# Allegro board S071AA-0413-20260427.brd (continued)
## Routing (per net, layer and track width the routed paths; a pad name or vN(x,y) marks a point on that pad's centre or on a via; arc(x,y) is an arc through that point) (continued)
259.35,328.47 ; D109.B8 260.16,327.66 ; D109.B8 259.35,326.85 ; D114.A6 190.77,353.87 ; D114.A6 189.96,353.06 ; D114.A6 190.77,352.25 ; D114.A6 191.58,353.06 ; D432.A3 51.88,406.4 ; D432.A3 50.26,406.4 ; D432.A3 51.07,405.59 ; D432.A3 51.07,407.21 ; D112.B7 262.7,391.16 ; D112.B7 261.08,391.16 ; D112.B7 261.89,391.97 ; D112.B7 261.89,390.35 ; D120.A6 29.02,35.56 ; D120.A6 27.4,35.56 ; D120.A6 28.21,36.37 ; D120.A6 28.21,34.75 ; D121.B12 117.92,101.6 ; D121.B12 117.11,102.41 ; D121.B12 116.3,101.6 ; D121.B12 117.11,100.79 ; 94.25,349.71 CSDPS226.C15 ; CSDPS226.C15 93.44,350.52 ; CSDPS226.C15 95.06,350.52 ; CSDPS226.C15 94.25,351.33 ; D431.A5 46.8,386.08 ; D431.A5 45.18,386.08 ; D431.A5 45.99,386.89 ; D431.A5 45.99,385.27 ; 93.44,73.66 D122.A3 ; D122.A3 95.06,73.66 ; D122.A3 94.25,72.85 ; D122.A3 94.25,74.47 ; 182.34,53.34 D103.A9 ; D103.A9 183.15,52.53 ; D103.A9 183.15,54.15 ; D103.A9 183.96,53.34 ; 46.68,354.48 UHC230.G3_2 ; UHC230.G3_2 47.49,355.29 ; UHC230.G3_2 45.87,355.29 ; UHC230.G3_2 46.68,356.1 ; CSDPS425.B10 107.76,342.9 ; CSDPS425.B10 106.14,342.9 ; CSDPS425.B10 106.95,342.09 ; CSDPS425.B10 106.95,343.71 ; D231.A17 15.51,376.73 ; D231.A17 15.51,375.11 ; D231.A17 14.7,375.92 ; D231.A17 16.32,375.92 ; D124.B16 127.27,41.45 ; D124.B16 128.08,40.64 ; D124.B16 126.46,40.64 ; D124.B16 127.27,39.83 ; 238.22,332.74 D109.A16 ; D109.A16 239.03,331.93 ; D109.A16 239.03,333.55 ; D109.A16 239.84,332.74 ; 243.3,332.74 D109.A14 ; D109.A14 244.11,331.93 ; D109.A14 244.92,332.74 ; D109.A14 244.11,333.55 ; 188.23,334.47 D113.A7 ; D113.A7 188.23,336.09 ; D113.A7 187.42,335.28 ; D113.A7 189.04,335.28 ; 188.23,375.11 D115.A7 ; D115.A7 188.23,376.73 ; D115.A7 189.04,375.92 ; D115.A7 187.42,375.92 ; D120.B16 54.42,40.64 ; D120.B16 53.61,41.45 ; D120.B16 52.8,40.64 ; D120.B16 53.61,39.83 ; 101.06,76.2 D122.A6 ; D122.A6 101.87,77.01 ; D122.A6 102.68,76.2 ; D122.A6 101.87,75.39 ; D110.B10 254.27,348.79 ; D110.B10 254.27,347.17 ; D110.B10 253.46,347.98 ; D110.B10 255.08,347.98 ; D111.A10 255.08,373.38 ; D111.A10 254.27,372.57 ; D111.A10 253.46,373.38 ; D111.A10 254.27,374.19 ; D109.A12 250,332.74 ; D109.A12 249.19,333.55 ; D109.A12 248.38,332.74 ; D109.A12 249.19,331.93 ; 32.48,342.9 CSDPS429.B10 ; CSDPS429.B10 33.29,343.71 ; CSDPS429.B10 33.29,342.09 ; CSDPS429.B10 34.1,342.9 ; D427.A10 107.76,383.54 ; D427.A10 106.95,384.35 ; D427.A10 106.14,383.54 ; D427.A10 106.95,382.73 ; 184.88,76.2 D102.A10 ; D102.A10 186.5,76.2 ; D102.A10 185.69,75.39 ; D102.A10 185.69,77.01 ; 116.3,332.74 CSDPS225.B6 ; CSDPS225.B6 117.11,331.93 ; CSDPS225.B6 117.92,332.74 ; CSDPS225.B6 117.11,333.55 ; UHC230.G4_6 19.99,351.79 ; UHC230.G4_6 18.37,351.79 ; UHC230.G4_6 19.18,350.98 ; UHC230.G4_6 19.18,352.6 ; 256.81,72.85 D106.A9 ; D106.A9 256.81,74.47 ; D106.A9 256,73.66 ; D106.A9 257.62,73.66 ; D107.A3 242.38,53.34 ; D107.A3 240.76,53.34 ; D107.A3 241.57,52.53 ; D107.A3 241.57,54.15 ; D231.B16 18.05,369.11 ; D231.B16 17.24,368.3 ; D231.B16 18.86,368.3 ; D231.B16 18.05,367.49 ; 27.4,388.62 D232.B12 ; D232.B12 28.21,389.43 ; D232.B12 29.02,388.62 ; D232.B12 28.21,387.81 ; 266.16,93.98 D105.A13 ; D105.A13 266.97,94.79 ; D105.A13 266.97,93.17 ; D105.A13 267.78,93.98 ; D427.A13 99.33,386.89 ; D427.A13 100.14,386.08 ; D427.A13 98.52,386.08 ; D427.A13 99.33,385.27 ; 195.85,372.57 D115.A4 ; D115.A4 195.04,373.38 ; D115.A4 195.85,374.19 ; D115.A4 196.66,373.38 ; 167.91,334.47 D113.A15 ; D113.A15 167.91,336.09 ; D113.A15 168.72,335.28 ; D113.A15 167.1,335.28 ; D106.B11 262.7,78.74 ; D106.B11 261.89,77.93 ; D106.B11 261.08,78.74 ; D106.B11 261.89,79.55 ; 124.73,18.24 DPS3.C15 ; DPS3.C15 123.92,19.05 ; DPS3.C15 124.73,19.86 ; DPS3.C15 125.54,19.05 ; D110.A11 252.54,355.6 ; D110.A11 251.73,354.79 ; D110.A11 251.73,356.41 ; D110.A11 250.92,355.6 ; 94.25,395.43 D228.A15 ; D228.A15 93.44,396.24 ; D228.A15 95.06,396.24 ; D228.A15 94.25,397.05 ; D112.B12 250,388.62 ; D112.B12 249.19,389.43 ; D112.B12 249.19,387.81 ; D112.B12 248.38,388.62 ; D228.B8 112.84,388.62 ; D228.B8 112.03,389.43 ; D228.B8 112.03,387.81 ; D228.B8 111.22,388.62 ; D123.B9 109.49,59.23 ; D123.B9 110.3,58.42 ; D123.B9 108.68,58.42 ; D123.B9 109.49,57.61 ; D121.A8 106.95,97.33 ; D121.A8 107.76,96.52 ; D121.A8 106.95,95.71 ; D121.A8 106.14,96.52 ; 45.99,414.48 DPS8.A05 ; DPS8.A05 46.8,415.29 ; DPS8.A05 45.99,416.1 ; DPS8.A05 45.18,415.29 ; D428.A11 104.41,407.21 ; D428.A11 103.6,406.4 ; D428.A11 105.22,406.4 ; D428.A11 104.41,405.59 ; D112.B5 266.97,391.97 ; D112.B5 267.78,391.16 ; D112.B5 266.97,390.35 ; D112.B5 266.16,391.16 ; 30.75,414.48 DPS8.A11 ; DPS8.A11 29.94,415.29 ; DPS8.A11 31.56,415.29 ; DPS8.A11 30.75,416.1 ; D104.B2 165.37,41.45 ; D104.B2 164.56,40.64 ; D104.B2 166.18,40.64 ; D104.B2 165.37,39.83 ; UHC230.G3_11 49.79,348.29 ; UHC230.G3_11 48.98,347.48 ; UHC230.G3_11 48.17,348.29 ; UHC230.G3_11 48.98,349.1 ; 98.52,53.34 D123.A5 ; D123.A5 99.33,54.15 ; D123.A5 100.14,53.34 ; D123.A5 99.33,52.53 ; D228.A7 114.57,397.05 ; D228.A7 114.57,395.43 ; D228.A7 113.76,396.24 ; D228.A7 115.38,396.24 ; D104.B7 178.07,38.91 ; D104.B7 178.07,37.29 ; D104.B7 178.88,38.1 ; D104.B7 177.26,38.1 ; D119.B6 29.02,60.96 ; D119.B6 27.4,60.96 ; D119.B6 28.21,60.15 ; D119.B6 28.21,61.77 ; 164.56,35.56 D104.A2 ; D104.A2 166.18,35.56 ; D104.A2 165.37,34.75 ; D104.A2 165.37,36.37 ; D120.B2 18.05,41.45 ; D120.B2 18.86,40.64 ; D120.B2 18.05,39.83 ; D120.B2 17.24,40.64 ; D107.A9 257.62,53.34 ; D107.A9 256.81,54.15 ; D107.A9 256,53.34 ; D107.A9 256.81,52.53 ; D101.A11 189.04,93.98 ; D101.A11 188.23,94.79 ; D101.A11 187.42,93.98 ; D101.A11 188.23,93.17 ; 29.94,340.36 CSDPS429.C11 ; CSDPS429.C11 30.75,339.55 ; CSDPS429.C11 30.75,341.17 ; CSDPS429.C11 31.56,340.36 ; 258.54,101.6 D105.B10 ; D105.B10 259.35,100.79 ; D105.B10 259.35,102.41 ; D105.B10 260.16,101.6 ; D227.B17 89.17,371.65 ; D227.B17 89.17,370.03 ; D227.B17 89.98,370.84 ; D227.B17 88.36,370.84 ; 22.32,378.46 D431.B14 ; D431.B14 23.13,379.27 ; D431.B14 23.13,377.65 ; D431.B14 23.94,378.46 ; 96.79,377.65 D427.B14 ; D427.B14 97.6,378.46 ; D427.B14 95.98,378.46 ; D427.B14 96.79,379.27 ; 53.61,372.57 D231.A2 ; D231.A2 52.8,373.38 ; D231.A2 53.61,374.19 ; D231.A2 54.42,373.38 ; 126.46,60.96 D123.B16 ; D123.B16 127.27,61.77 ; D123.B16 127.27,60.15 ; D123.B16 128.08,60.96 ; 45.18,340.36 CSDPS429.C5 ; CSDPS429.C5 45.99,339.55 ; CSDPS429.C5 46.8,340.36 ; CSDPS429.C5 45.99,341.17 ; 195.85,80.47 D102.B14 ; D102.B14 195.85,82.09 ; D102.B14 195.04,81.28 ; D102.B14 196.66,81.28 ; 99.33,72.85 D122.A5 ; D122.A5 99.33,74.47 ; D122.A5 100.14,73.66 ; D122.A5 98.52,73.66 ; DPS1.B05 247.46,16.51 ; DPS1.B05 246.65,15.7 ; DPS1.B05 246.65,17.32 ; DPS1.B05 245.84,16.51 ; D108.A6 249.19,36.37 ; D108.A6 250,35.56 ; D108.A6 248.38,35.56 ; D108.A6 249.19,34.75 ; CSDPS229.C15 21.4,330.2 ; CSDPS229.C15 20.59,331.01 ; CSDPS229.C15 19.78,330.2 ; CSDPS229.C15 20.59,329.39 ; UHC430.G1_6 19.18,362.76 ; UHC430.G1_6 19.99,361.95 ; UHC430.G1_6 19.18,361.14 ; UHC430.G1_6 18.37,361.95 ; D114.A9 183.15,356.41 ; D114.A9 183.15,354.79 ; D114.A9 182.34,355.6 ; D114.A9 183.96,355.6 ; D111.B7 261.89,371.65 ; D111.B7 261.89,370.03 ; D111.B7 262.7,370.84 ; D111.B7 261.08,370.84 ; D228.B13 100.14,391.16 ; D228.B13 98.52,391.16 ; D228.B13 99.33,391.97 ; D228.B13 99.33,390.35 ; 51.07,72.85 D118.A15 ; D118.A15 51.07,74.47 ; D118.A15 51.88,73.66 ; D118.A15 50.26,73.66 ; CSDPS429.C1 56.96,340.36 ; CSDPS429.C1 56.15,339.55 ; CSDPS429.C1 56.15,341.17 ; CSDPS429.C1 55.34,340.36 ; D116.B13 173.8,391.16 ; D116.B13 172.99,390.35 ; D116.B13 172.18,391.16 ; D116.B13 172.99,391.97 ; 197.58,38.1 D104.B15 ; D104.B15 198.39,38.91 ; D104.B15 199.2,38.1 ; D104.B15 198.39,37.29 ; 40.1,53.34 D119.A11 ; D119.A11 41.72,53.34 ; D119.A11 40.91,54.15 ; D119.A11 40.91,52.53 ; 124.73,390.35 D228.B3 ; D228.B3 123.92,391.16 ; D228.B3 124.73,391.97 ; D228.B3 125.54,391.16 ; 90.9,393.7 D228.A16 ; D228.A16 91.71,394.51 ; D228.A16 91.71,392.89 ; D228.A16 92.52,393.7 ; 272.05,349.71 D110.B3 ; D110.B3 271.24,350.52 ; D110.B3 272.05,351.33 ; D110.B3 272.86,350.52 ; D428.B2 128.08,398.78 ; D428.B2 127.27,397.97 ; D428.B2 126.46,398.78 ; D428.B2 127.27,399.59 ; 47.72,398.78 D432.B4 ; D432.B4 49.34,398.78 ; D432.B4 48.53,399.59 ; D432.B4 48.53,397.97 ; 253.46,393.7 D112.A10 ; D112.A10 254.27,394.51 ; D112.A10 255.08,393.7 ; D112.A10 254.27,392.89 ; 195.85,347.17 D114.B4 ; D114.B4 196.66,347.98 ; D114.B4 195.85,348.79 ; D114.B4 195.04,347.98 ; 241.57,72.85 D106.A3 ; D106.A3 240.76,73.66 ; D106.A3 241.57,74.47 ; D106.A3 242.38,73.66 ; D228.A1 130.62,396.24 ; D228.A1 129,396.24 ; D228.A1 129.81,395.43 ; D228.A1 129.81,397.05 ; 170.45,347.17 D114.B14 ; D114.B14 169.64,347.98 ; D114.B14 170.45,348.79 ; D114.B14 171.26,347.98 ; 258.54,40.64 D108.B10 ; D108.B10 259.35,41.45 ; D108.B10 260.16,40.64 ; D108.B10 259.35,39.83 ; 261.89,98.25 D105.B11 ; D105.B11 262.7,99.06 ; D105.B11 261.89,99.87 ; D105.B11 261.08,99.06 ; D119.B15 51.88,58.42 ; D119.B15 51.07,57.61 ; D119.B15 50.26,58.42 ; D119.B15 51.07,59.23 ; UHC430.G2_3 44.38,366.26 ; UHC430.G2_3 43.57,365.45 ; UHC430.G2_3 44.38,364.64 ; UHC430.G2_3 45.19,365.45 ; D103.B3 168.72,58.42 ; D103.B3 167.1,58.42 ; D103.B3 167.91,57.61 ; D103.B3 167.91,59.23 ; 25.67,329.39 CSDPS229.C13 ; CSDPS229.C13 26.48,330.2 ; CSDPS229.C13 24.86,330.2 ; CSDPS229.C13 25.67,331.01 ; CSDPS425.C1 129.81,341.17 ; CSDPS425.C1 129.81,339.55 ; CSDPS425.C1 129,340.36 ; CSDPS425.C1 130.62,340.36 ; D101.A3 167.91,94.79 ; D101.A3 167.1,93.98 ; D101.A3 167.91,93.17 ; D101.A3 168.72,93.98 ; D104.A9 183.15,33.83 ; D104.A9 183.15,32.21 ; D104.A9 182.34,33.02 ; D104.A9 183.96,33.02 ; D111.B2 275.4,368.3 ; D111.B2 274.59,369.11 ; D111.B2 273.78,368.3 ; D111.B2 274.59,367.49 ; 274.59,80.47 D106.B16 ; D106.B16 273.78,81.28 ; D106.B16 275.4,81.28 ; D106.B16 274.59,82.09 ; D103.B10 186.5,60.96 ; D103.B10 185.69,60.15 ; D103.B10 185.69,61.77 ; D103.B10 184.88,60.96 ; 45.18,58.42 D119.B13 ; D119.B13 45.99,59.23 ; D119.B13 46.8,58.42 ; D119.B13 45.99,57.61 ; D112.A1 277.94,396.24 ; D112.A1 277.13,397.05 ; D112.A1 276.32,396.24 ; D112.A1 277.13,395.43 ; 178.07,370.03 D115.B11 ; D115.B11 177.26,370.84 ; D115.B11 178.07,371.65 ; D115.B11 178.88,370.84 ; 119.65,77.93 D122.B13 ; D122.B13 119.65,79.55 ; D122.B13 118.84,78.74 ; D122.B13 120.46,78.74 ; CSDPS226.B12 102.68,353.06 ; CSDPS226.B12 101.87,352.25 ; CSDPS226.B12 101.87,353.87 ; CSDPS226.B12 101.06,353.06 ; 264.43,347.17 D110.B6 ; D110.B6 265.24,347.98 ; D110.B6 263.62,347.98 ; D110.B6 264.43,348.79 ; 243.3,40.64 D108.B4 ; D108.B4 244.11,41.45 ; D108.B4 244.92,40.64 ; D108.B4 244.11,39.83 ; D111.B9 257.62,370.84 ; D111.B9 256.81,371.65 ; D111.B9 256,370.84 ; D111.B9 256.81,370.03 ; 250.92,391.16 D112.B11 ; D112.B11 252.54,391.16 ; D112.B11 251.73,390.35 ; D112.B11 251.73,391.97 ; D124.B6 101.87,41.45 ; D124.B6 101.87,39.83 ; D124.B6 102.68,40.64 ; D124.B6 101.06,40.64 ; 256.81,37.29 D108.B9 ; D108.B9 256,38.1 ; D108.B9 257.62,38.1 ; D108.B9 256.81,38.91 ; 129,330.2 CSDPS225.C1 ; CSDPS225.C1 129.81,329.39 ; CSDPS225.C1 129.81,331.01 ; CSDPS225.C1 130.62,330.2 ; 108.68,53.34 D123.A9 ; D123.A9 110.3,53.34 ; D123.A9 109.49,54.15 ; D123.A9 109.49,52.53 ; D427.A4 123,383.54 ; D427.A4 122.19,384.35 ; D427.A4 122.19,382.73 ; D427.A4 121.38,383.54 ; 90.9,383.54 D427.A16 ; D427.A16 91.71,382.73 ; D427.A16 92.52,383.54 ; D427.A16 91.71,384.35 ; 19.78,396.24 D232.A15 ; D232.A15 20.59,395.43 ; D232.A15 20.59,397.05 ; D232.A15 21.4,396.24 ; 37.56,403.86 D432.A8 ; D432.A8 39.18,403.86 ; D432.A8 38.37,403.05 ; D432.A8 38.37,404.67 ; D104.B1 162.83,38.91 ; D104.B1 162.02,38.1 ; D104.B1 163.64,38.1 ; D104.B1 162.83,37.29 ; 40.1,381 D431.B7 ; D431.B7 40.91,381.81 ; D431.B7 40.91,380.19 ; D431.B7 41.72,381 ; 14.92,360.2 UHC430.G1_10 ; UHC430.G1_10 15.73,359.39 ; UHC430.G1_10 16.54,360.2 ; UHC430.G1_10 15.73,361.01 ; 90.9,403.86 D428.A16 ; D428.A16 91.71,404.67 ; D428.A16 91.71,403.05 ; D428.A16 92.52,403.86 ; 245.84,370.84 D111.B13 ; D111.B13 246.65,370.03 ; D111.B13 247.46,370.84 ; D111.B13 246.65,371.65 ; 177.26,330.2 D113.B11 ; D113.B11 178.07,329.39 ; D113.B11 178.88,330.2 ; D113.B11 178.07,331.01 ; D105.A14 269.51,97.33 ; D105.A14 270.32,96.52 ; D105.A14 268.7,96.52 ; D105.A14 269.51,95.71 ; 50.26,396.24 D232.A3 ; D232.A3 51.88,396.24 ; D232.A3 51.07,397.05 ; D232.A3 51.07,395.43 ; 117.11,403.05 D428.A6 ; D428.A6 117.11,404.67 ; D428.A6 117.92,403.86 ; D428.A6 116.3,403.86 ; D112.A8 260.16,393.7 ; D112.A8 258.54,393.7 ; D112.A8 259.35,394.51 ; D112.A8 259.35,392.89 ; 256,391.16 D112.B9 ; D112.B9 256.81,391.97 ; D112.B9 257.62,391.16 ; D112.B9 256.81,390.35 ; D121.A13 120.46,93.98 ; D121.A13 119.65,94.79 ; D121.A13 119.65,93.17 ; D121.A13 118.84,93.98 ; 170.45,367.49 D115.B14 ; D115.B14 170.45,369.11 ; D115.B14 171.26,368.3 ; D115.B14 169.64,368.3 ; UHC230.G3_1 49.79,355.29 ; UHC230.G3_1 48.98,354.48 ; UHC230.G3_1 48.17,355.29 ; UHC230.G3_1 48.98,356.1 ; UHC230.G4_5 15.73,354.35 ; UHC230.G4_5 15.73,352.73 ; UHC230.G4_5 16.54,353.54 ; UHC230.G4_5 14.92,353.54 ; D104.B16 201.74,40.64 ; D104.B16 200.93,39.83 ; D104.B16 200.93,41.45 ; D104.B16 200.12,40.64 ; CSDPS429.C9 35.83,341.17 ; CSDPS429.C9 36.64,340.36 ; CSDPS429.C9 35.02,340.36 ; CSDPS429.C9 35.83,339.55 ; 269.51,60.15 D107.B14 ; D107.B14 268.7,60.96 ; D107.B14 270.32,60.96 ; D107.B14 269.51,61.77 ; 20.59,52.53 D119.A3 ; D119.A3 20.59,54.15 ; D119.A3 21.4,53.34 ; D119.A3 19.78,53.34 ; D227.A6 117.11,374.19 ; D227.A6 116.3,373.38 ; D227.A6 117.11,372.57 ; D227.A6 117.92,373.38 ; D121.A10 112.84,96.52 ; D121.A10 112.03,95.71 ; D121.A10 112.03,97.33 ; D121.A10 111.22,96.52 ; 45.87,365.45 UHC430.G2_2 ; UHC430.G2_2 46.68,364.64 ; UHC430.G2_2 46.68,366.26 ; UHC430.G2_2 47.49,365.45 ; 43.45,60.15 D119.B12 ; D119.B12 42.64,60.96 ; D119.B12 43.45,61.77 ; D119.B12 44.26,60.96 ; 27.4,398.78 D432.B12 ; D432.B12 29.02,398.78 ; D432.B12 28.21,397.97 ; D432.B12 28.21,399.59 ; D232.A16 18.86,393.7 ; D232.A16 18.05,392.89 ; D232.A16 18.05,394.51 ; D232.A16 17.24,393.7 ; 269.51,392.89 D112.A4 ; D112.A4 269.51,394.51 ; D112.A4 270.32,393.7 ; D112.A4 268.7,393.7 ; D119.B3 21.4,58.42 ; D119.B3 20.59,57.61 ; D119.B3 19.78,58.42 ; D119.B3 20.59,59.23 ; D114.A5 194.12,355.6 ; D114.A5 193.31,354.79 ; D114.A5 192.5,355.6 ; D114.A5 193.31,356.41 ; 249.19,39.83 D108.B6 ; D108.B6 249.19,41.45 ; D108.B6 250,40.64 ; D108.B6 248.38,40.64 ; 32.48,332.74 CSDPS229.B10 ; CSDPS229.B10 33.29,331.93 ; CSDPS229.B10 34.1,332.74 ; CSDPS229.B10 33.29,333.55 ; D227.A8 112.84,373.38 ; D227.A8 112.03,372.57 ; D227.A8 111.22,373.38 ; D227.A8 112.03,374.19 ; 241.57,98.25 D105.B3 ; D105.B3 240.76,99.06 ; D105.B3 242.38,99.06 ; D105.B3 241.57,99.87 ; 273.78,55.88 D107.A16 ; D107.A16 275.4,55.88 ; D107.A16 274.59,55.07 ; D107.A16 274.59,56.69 ; D231.B10 34.1,368.3 ; D231.B10 33.29,369.11 ; D231.B10 33.29,367.49 ; D231.B10 32.48,368.3 ; D227.A14 97.6,373.38 ; D227.A14 96.79,372.57 ; D227.A14 96.79,374.19 ; D227.A14 95.98,373.38 ; 33.29,403.05 D432.A10 ; D432.A10 32.48,403.86 ; D432.A10 34.1,403.86 ; D432.A10 33.29,404.67 ; 162.83,57.61 D103.B1 ; D103.B1 162.02,58.42 ; D103.B1 162.83,59.23 ; D103.B1 163.64,58.42 ; D232.B2 53.61,389.43 ; D232.B2 53.61,387.81 ; D232.B2 54.42,388.62 ; D232.B2 52.8,388.62 ; D427.B7 114.57,381.81 ; D427.B7 113.76,381 ; D427.B7 114.57,380.19 ; D427.B7 115.38,381 ; D115.A10 180.61,374.19 ; D115.A10 179.8,373.38 ; D115.A10 181.42,373.38 ; D115.A10 180.61,372.57 ; 264.43,39.83 D108.B12 ; D108.B12 265.24,40.64 ; D108.B12 263.62,40.64 ; D108.B12 264.43,41.45 ; D228.B15 95.06,391.16 ; D228.B15 94.25,391.97 ; D228.B15 93.44,391.16 ; D228.B15 94.25,390.35 ; D108.A7 251.73,33.83 ; D108.A7 251.73,32.21 ; D108.A7 252.54,33.02 ; D108.A7 250.92,33.02 ; D116.A7 188.23,397.05 ; D116.A7 188.23,395.43 ; D116.A7 189.04,396.24 ; D116.A7 187.42,396.24 ; 95.98,353.06 CSDPS226.B14 ; CSDPS226.B14 97.6,353.06 ; CSDPS226.B14 96.79,352.25 ; CSDPS226.B14 96.79,353.87 ; D122.A14 122.19,77.01 ; D122.A14 122.19,75.39 ; D122.A14 121.38,76.2 ; D122.A14 123,76.2 ; 111.22,383.54 D427.A8 ; D427.A8 112.03,384.35 ; D427.A8 112.03,382.73 ; D427.A8 112.84,383.54 ; 167.91,52.53 D103.A3 ; D103.A3 167.1,53.34 ; D103.A3 167.91,54.15 ; D103.A3 168.72,53.34 ; 51.07,339.55 CSDPS429.C3 ; CSDPS429.C3 50.26,340.36 ; CSDPS429.C3 51.88,340.36 ; CSDPS429.C3 51.07,341.17 ; DPS2.C05 193.31,411.02 ; DPS2.C05 193.31,409.4 ; DPS2.C05 192.5,410.21 ; DPS2.C05 194.12,410.21 ; DPS8.C11 31.56,410.21 ; DPS8.C11 30.75,411.02 ; DPS8.C11 29.94,410.21 ; DPS8.C11 30.75,409.4 ; 240.76,370.84 D111.B15 ; D111.B15 242.38,370.84 ; D111.B15 241.57,370.03 ; D111.B15 241.57,371.65 ; D116.A3 199.2,396.24 ; D116.A3 197.58,396.24 ; D116.A3 198.39,397.05 ; D116.A3 198.39,395.43 ; D427.A5 119.65,386.89 ; D427.A5 118.84,386.08 ; D427.A5 119.65,385.27 ; D427.A5 120.46,386.08 ; D115.A1 204.28,375.92 ; D115.A1 202.66,375.92 ; D115.A1 203.47,376.73 ; D115.A1 203.47,375.11 ; 179.8,60.96 D103.B8 ; D103.B8 180.61,61.77 ; D103.B8 180.61,60.15 ; D103.B8 181.42,60.96 ; D108.B14 270.32,40.64 ; D108.B14 268.7,40.64 ; D108.B14 269.51,39.83 ; D108.B14 269.51,41.45 ; 193.31,77.93 D102.B13 ; D102.B13 192.5,78.74 ; D102.B13 193.31,79.55 ; D102.B13 194.12,78.74 ; 259.35,331.93 D109.A8 ; D109.A8 258.54,332.74 ; D109.A8 259.35,333.55 ; D109.A8 260.16,332.74 ; 261.89,57.61 D107.B11 ; D107.B11 261.08,58.42 ; D107.B11 262.7,58.42 ; D107.B11 261.89,59.23 ; D108.B3 241.57,38.91 ; D108.B3 242.38,38.1 ; D108.B3 241.57,37.29 ; D108.B3 240.76,38.1 ; 109.49,380.19 D427.B9 ; D427.B9 108.68,381 ; D427.B9 109.49,381.81 ; D427.B9 110.3,381 ; D123.B4 97.6,60.96 ; D123.B4 96.79,60.15 ; D123.B4 95.98,60.96 ; D123.B4 96.79,61.77 ; D427.B15 95.06,381 ; D427.B15 93.44,381 ; D427.B15 94.25,380.19 ; D427.B15 94.25,381.81 ; 116.3,398.78 D428.B6 ; D428.B6 117.11,399.59 ; D428.B6 117.92,398.78 ; D428.B6 117.11,397.97 ; 56.15,414.48 DPS8.A01 ; DPS8.A01 56.15,416.1 ; DPS8.A01 55.34,415.29 ; DPS8.A01 56.96,415.29 ; D113.B14 170.45,328.47 ; D113.B14 171.26,327.66 ; D113.B14 169.64,327.66 ; D113.B14 170.45,326.85 ; 127.27,403.05 D428.A2 ; D428.A2 126.46,403.86 ; D428.A2 127.27,404.67 ; D428.A2 128.08,403.86 ; 104.41,390.35 D228.B11 ; D228.B11 105.22,391.16 ; D228.B11 103.6,391.16 ; D228.B11 104.41,391.97 ; D118.A7 30.75,74.47 ; D118.A7 31.56,73.66 ; D118.A7 29.94,73.66 ; D118.A7 30.75,72.85 ; D108.B2 239.03,41.45 ; D108.B2 239.84,40.64 ; D108.B2 239.03,39.83 ; D108.B2 238.22,40.64 ; D120.B4 23.13,41.45 ; D120.B4 23.13,39.83 ; D120.B4 22.32,40.64 ; D120.B4 23.94,40.64 ; 122.19,80.47 D122.B14 ; D122.B14 121.38,81.28 ; D122.B14 123,81.28 ; D122.B14 122.19,82.09 ; UHC230.G3_8 45.19,351.79 ; UHC230.G3_8 44.38,352.6 ; UHC230.G3_8 44.38,350.98 ; UHC230.G3_8 43.57,351.79 ; D432.B15 21.4,401.32 ; D432.B15 20.59,402.13 ; D432.B15 20.59,400.51 ; D432.B15 19.78,401.32 ; 162.02,53.34 D103.A1 ; D103.A1 162.83,54.15 ; D103.A1 163.64,53.34 ; D103.A1 162.83,52.53 ; 52.8,35.56 D120.A16 ; D120.A16 53.61,34.75 ; D120.A16 54.42,35.56 ; D120.A16 53.61,36.37 ; D103.B9 183.96,58.42 ; D103.B9 182.34,58.42 ; D103.B9 183.15,59.23 ; D103.B9 183.15,57.61 ; CSDPS226.B6 117.11,353.87 ; CSDPS226.B6 116.3,353.06 ; CSDPS226.B6 117.92,353.06 ; CSDPS226.B6 117.11,352.25 ; 38.37,39.83 D120.B10 ; D120.B10 37.56,40.64 ; D120.B10 38.37,41.45 ; D120.B10 39.18,40.64 ; D227.A1 130.62,375.92 ; D227.A1 129.81,375.11 ; D227.A1 129,375.92 ; D227.A1 129.81,376.73 ; D103.B14 196.66,60.96 ; D103.B14 195.85,61.77 ; D103.B14 195.04,60.96 ; D103.B14 195.85,60.15 ; D228.B6 117.92,388.62 ; D228.B6 117.11,389.43 ; D228.B6 116.3,388.62 ; D228.B6 117.11,387.81 ; 174.72,327.66 D113.B12 ; D113.B12 176.34,327.66 ; D113.B12 175.53,326.85 ; D113.B12 175.53,328.47 ; 170.45,55.07 D103.A4 ; D103.A4 169.64,55.88 ; D103.A4 170.45,56.69 ; D103.A4 171.26,55.88 ; D432.B14 23.13,399.59 ; D432.B14 23.94,398.78 ; D432.B14 23.13,397.97 ; D432.B14 22.32,398.78 ; D113.A5 194.12,335.28 ; D113.A5 193.31,336.09 ; D113.A5 192.5,335.28 ; D113.A5 193.31,334.47 ; D123.A16 127.27,56.69 ; D123.A16 126.46,55.88 ; D123.A16 127.27,55.07 ; D123.A16 128.08,55.88 ; 245.84,33.02 D108.A5 ; D108.A5 246.65,33.83 ; D108.A5 247.46,33.02 ; D108.A5 246.65,32.21 ; 248.38,373.38 D111.A12 ; D111.A12 249.19,374.19 ; D111.A12 250,373.38 ; D111.A12 249.19,372.57 ; 195.04,101.6 D101.B14 ; D101.B14 195.85,100.79 ; D101.B14 195.85,102.41 ; D101.B14 196.66,101.6 ; D107.B9 257.62,58.42 ; D107.B9 256,58.42 ; D107.B9 256.81,57.61 ; D107.B9 256.81,59.23 ; D124.A15 124.73,33.83 ; D124.A15 124.73,32.21 ; D124.A15 123.92,33.02 ; D124.A15 125.54,33.02 ; 90.9,60.96 D123.B2 ; D123.B2 92.52,60.96 ; D123.B2 91.71,60.15 ; D123.B2 91.71,61.77 ; 90.9,398.78 D428.B16 ; D428.B16 91.71,399.59 ; D428.B16 92.52,398.78 ; D428.B16 91.71,397.97 ; CSDPS225.B8 112.84,332.74 ; CSDPS225.B8 111.22,332.74 ; CSDPS225.B8 112.03,333.55 ; CSDPS225.B8 112.03,331.93 ; 272.05,354.79 D110.A3 ; D110.A3 271.24,355.6 ; D110.A3 272.05,356.41 ; D110.A3 272.86,355.6 ; D120.A11 41.72,33.02 ; D120.A11 40.1,33.02 ; D120.A11 40.91,32.21 ; D120.A11 40.91,33.83 ; 52.8,60.96 D119.B16 ; D119.B16 54.42,60.96 ; D119.B16 53.61,61.77 ; D119.B16 53.61,60.15 ; 126.46,342.9 CSDPS425.B2 ; CSDPS425.B2 127.27,343.71 ; CSDPS425.B2 128.08,342.9 ; CSDPS425.B2 127.27,342.09 ; 45.18,330.2 CSDPS229.C5 ; CSDPS229.C5 46.8,330.2 ; CSDPS229.C5 45.99,331.01 ; CSDPS229.C5 45.99,329.39 ; 95.98,332.74 CSDPS225.B14 ; CSDPS225.B14 96.79,331.93 ; CSDPS225.B14 97.6,332.74 ; CSDPS225.B14 96.79,333.55 ; D102.A3 168.72,73.66 ; D102.A3 167.91,74.47 ; D102.A3 167.91,72.85 ; D102.A3 167.1,73.66 ; D120.A12 44.26,35.56 ; D120.A12 42.64,35.56 ; D120.A12 43.45,36.37 ; D120.A12 43.45,34.75 ; 99.33,329.39 CSDPS225.C13 ; CSDPS225.C13 99.33,331.01 ; CSDPS225.C13 100.14,330.2 ; CSDPS225.C13 98.52,330.2 ; 258.54,96.52 D105.A10 ; D105.A10 260.16,96.52 ; D105.A10 259.35,97.33 ; D105.A10 259.35,95.71 ; 253.46,55.88 D107.A8 ; D107.A8 254.27,55.07 ; D107.A8 255.08,55.88 ; D107.A8 254.27,56.69 ; D119.B9 36.64,58.42 ; D119.B9 35.02,58.42 ; D119.B9 35.83,59.23 ; D119.B9 35.83,57.61 ; D113.A1 203.47,336.09 ; D113.A1 203.47,334.47 ; D113.A1 204.28,335.28 ; D113.A1 202.66,335.28 ; D113.B13 172.99,331.01 ; D113.B13 173.8,330.2 ; D113.B13 172.99,329.39 ; D113.B13 172.18,330.2 ; DPS1.B01 236.49,17.32 ; DPS1.B01 235.68,16.51 ; DPS1.B01 236.49,15.7 ; DPS1.B01 237.3,16.51 ; 276.32,355.6 D110.A1 ; D110.A1 277.94,355.6 ; D110.A1 277.13,354.79 ; D110.A1 277.13,356.41 ; 51.07,375.11 D231.A3 ; D231.A3 51.07,376.73 ; D231.A3 51.88,375.92 ; D231.A3 50.26,375.92 ; 52.8,383.54 D431.A2 ; D431.A2 53.61,382.73 ; D431.A2 53.61,384.35 ; D431.A2 54.42,383.54 ; CSDPS426.B14 96.79,364.03 ; CSDPS426.B14 95.98,363.22 ; CSDPS426.B14 96.79,362.41 ; CSDPS426.B14 97.6,363.22 ; 48.53,382.73 D431.A4 ; D431.A4 47.72,383.54 ; D431.A4 49.34,383.54 ; D431.A4 48.53,384.35 ; 256,330.2 D109.B9 ; D109.B9 257.62,330.2 ; D109.B9 256.81,331.01 ; D109.B9 256.81,329.39 ; DPS2.B05 194.12,412.75 ; DPS2.B05 192.5,412.75 ; DPS2.B05 193.31,413.56 ; DPS2.B05 193.31,411.94 ; 184.88,81.28 D102.B10 ; D102.B10 185.69,80.47 ; D102.B10 185.69,82.09 ; D102.B10 186.5,81.28 ; D432.B5 46.8,401.32 ; D432.B5 45.18,401.32 ; D432.B5 45.99,402.13 ; D432.B5 45.99,400.51 ; CSDPS425.C7 114.57,341.17 ; CSDPS425.C7 113.76,340.36 ; CSDPS425.C7 114.57,339.55 ; CSDPS425.C7 115.38,340.36 ; 117.11,392.89 D228.A6 ; D228.A6 116.3,393.7 ; D228.A6 117.92,393.7 ; D228.A6 117.11,394.51 ; 90.9,368.3 D227.B16 ; D227.B16 91.71,369.11 ; D227.B16 92.52,368.3 ; D227.B16 91.71,367.49 ; D231.B17 16.32,370.84 ; D231.B17 15.51,371.65 ; D231.B17 15.51,370.03 ; D231.B17 14.7,370.84 ; D109.B12 250,327.66 ; D109.B12 248.38,327.66 ; D109.B12 249.19,326.85 ; D109.B12 249.19,328.47 ; 263.62,332.74 D109.A6 ; D109.A6 265.24,332.74 ; D109.A6 264.43,333.55 ; D109.A6 264.43,331.93 ; 47.72,403.86 D432.A4 ; D432.A4 48.53,404.67 ; D432.A4 49.34,403.86 ; D432.A4 48.53,403.05 ; 13.77,365.45 UHC430.G1_3 ; UHC430.G1_3 14.58,364.64 ; UHC430.G1_3 14.58,366.26 ; UHC430.G1_3 15.39,365.45 ; 23.13,331.93 CSDPS229.B14 ; CSDPS229.B14 23.13,333.55 ; CSDPS229.B14 23.94,332.74 ; CSDPS229.B14 22.32,332.74 ; 113.76,370.84 D227.B7 ; D227.B7 115.38,370.84 ; D227.B7 114.57,370.03 ; D227.B7 114.57,371.65 ; 167.1,396.24 D116.A15 ; D116.A15 167.91,397.05 ; D116.A15 168.72,396.24 ; D116.A15 167.91,395.43 ; 243.3,35.56 D108.A4 ; D108.A4 244.11,36.37 ; D108.A4 244.11,34.75 ; D108.A4 244.92,35.56 ; D427.A6 117.92,383.54 ; D427.A6 117.11,382.73 ; D427.A6 117.11,384.35 ; D427.A6 116.3,383.54 ; D124.A14 122.19,36.37 ; D124.A14 121.38,35.56 ; D124.A14 123,35.56 ; D124.A14 122.19,34.75 ; DPS2.B11 178.07,413.56 ; DPS2.B11 178.07,411.94 ; DPS2.B11 178.88,412.75 ; DPS2.B11 177.26,412.75 ; D120.A3 21.4,33.02 ; D120.A3 20.59,33.83 ; D120.A3 20.59,32.21 ; D120.A3 19.78,33.02 ; 91.71,34.75 D124.A2 ; D124.A2 92.52,35.56 ; D124.A2 91.71,36.37 ; D124.A2 90.9,35.56 ; 184.88,353.06 D114.A8 ; D114.A8 186.5,353.06 ; D114.A8 185.69,353.87 ; D114.A8 185.69,352.25 ; D123.A12 117.11,56.69 ; D123.A12 117.11,55.07 ; D123.A12 117.92,55.88 ; D123.A12 116.3,55.88 ; 193.31,395.43 D116.A5 ; D116.A5 192.5,396.24 ; D116.A5 194.12,396.24 ; D116.A5 193.31,397.05 ; DPS1.B15 272.86,16.51 ; DPS1.B15 271.24,16.51 ; DPS1.B15 272.05,15.7 ; DPS1.B15 272.05,17.32 ; 243.3,76.2 D106.A4 ; D106.A4 244.92,76.2 ; D106.A4 244.11,77.01 ; D106.A4 244.11,75.39 ; D232.B9 36.64,391.16 ; D232.B9 35.02,391.16 ; D232.B9 35.83,391.97 ; D232.B9 35.83,390.35 ; D432.B9 36.64,401.32 ; D432.B9 35.02,401.32 ; D432.B9 35.83,400.51 ; D432.B9 35.83,402.13 ; 45.18,33.02 D120.A13 ; D120.A13 45.99,33.83 ; D120.A13 45.99,32.21 ; D120.A13 46.8,33.02 ; D105.A3 242.38,93.98 ; D105.A3 241.57,94.79 ; D105.A3 241.57,93.17 ; D105.A3 240.76,93.98 ; D122.A13 120.46,73.66 ; D122.A13 119.65,72.85 ; D122.A13 118.84,73.66 ; D122.A13 119.65,74.47 ; 251.73,77.93 D106.B7 ; D106.B7 251.73,79.55 ; D106.B7 252.54,78.74 ; D106.B7 250.92,78.74 ; D121.B6 102.68,101.6 ; D121.B6 101.87,100.79 ; D121.B6 101.87,102.41 ; D121.B6 101.06,101.6 ; 266.97,57.61 D107.B13 ; D107.B13 267.78,58.42 ; D107.B13 266.97,59.23 ; D107.B13 266.16,58.42 ; D111.A2 274.59,374.19 ; D111.A2 275.4,373.38 ; D111.A2 273.78,373.38 ; D111.A2 274.59,372.57 ; D102.B12 191.58,81.28 ; D102.B12 190.77,80.47 ; D102.B12 189.96,81.28 ; D102.B12 190.77,82.09 ; D115.A8 185.69,374.19 ; D115.A8 184.88,373.38 ; D115.A8 185.69,372.57 ; D115.A8 186.5,373.38 ; 162.02,33.02 D104.A1 ; D104.A1 162.83,33.83 ; D104.A1 162.83,32.21 ; D104.A1 163.64,33.02 ; 200.12,373.38 D115.A2 ; D115.A2 200.93,374.19 ; D115.A2 201.74,373.38 ; D115.A2 200.93,372.57 ; D115.B6 191.58,368.3 ; D115.B6 190.77,369.11 ; D115.B6 190.77,367.49 ; D115.B6 189.96,368.3 ; 254.27,95.71 D105.A8 ; D105.A8 253.46,96.52 ; D105.A8 255.08,96.52 ; D105.A8 254.27,97.33 ; 111.22,81.28 D122.B10 ; D122.B10 112.03,80.47 ; D122.B10 112.84,81.28 ; D122.B10 112.03,82.09 ; D427.B17 89.98,381 ; D427.B17 89.17,381.81 ; D427.B17 88.36,381 ; D427.B17 89.17,380.19 ; 273.78,347.98 D110.B2 ; D110.B2 274.59,347.17 ; D110.B2 274.59,348.79 ; D110.B2 275.4,347.98 ; 261.08,93.98 D105.A11 ; D105.A11 261.89,93.17 ; D105.A11 261.89,94.79 ; D105.A11 262.7,93.98 ; D103.B5 172.99,59.23 ; D103.B5 173.8,58.42 ; D103.B5 172.99,57.61 ; D103.B5 172.18,58.42 ; 112.03,352.25 CSDPS226.B8 ; CSDPS226.B8 111.22,353.06 ; CSDPS226.B8 112.03,353.87 ; CSDPS226.B8 112.84,353.06 ; D114.B7 188.23,351.33 ; D114.B7 188.23,349.71 ; D114.B7 187.42,350.52 ; D114.B7 189.04,350.52 ; 112.03,34.75 D124.A10 ; D124.A10 112.03,36.37 ; D124.A10 112.84,35.56 ; D124.A10 111.22,35.56 ; D107.B6 250,60.96 ; D107.B6 248.38,60.96 ; D107.B6 249.19,61.77 ; D107.B6 249.19,60.15 ; D428.A15 94.25,407.21 ; D428.A15 95.06,406.4 ; D428.A15 94.25,405.59 ; D428.A15 93.44,406.4 ; DPS8.C05 45.99,411.02 ; DPS8.C05 45.18,410.21 ; DPS8.C05 45.99,409.4 ; DPS8.C05 46.8,410.21 ; D112.B13 247.46,391.16 ; D112.B13 246.65,390.35 ; D112.B13 246.65,391.97 ; D112.B13 245.84,391.16 ; D105.B4 244.11,102.41 ; D105.B4 244.11,100.79 ; D105.B4 243.3,101.6 ; D105.B4 244.92,101.6 ; D116.B6 191.58,388.62 ; D116.B6 190.77,387.81 ; D116.B6 189.96,388.62 ; D116.B6 190.77,389.43 ; CSDPS429.B14 23.94,342.9 ; CSDPS429.B14 23.13,343.71 ; CSDPS429.B14 22.32,342.9 ; CSDPS429.B14 23.13,342.09 ; D123.A3 94.25,54.15 ; D123.A3 93.44,53.34 ; D123.A3 95.06,53.34 ; D123.A3 94.25,52.53 ; 182.34,375.92 D115.A9 ; D115.A9 183.15,375.11 ; D115.A9 183.96,375.92 ; D115.A9 183.15,376.73 ; D428.B3 125.54,401.32 ; D428.B3 124.73,402.13 ; D428.B3 123.92,401.32 ; D428.B3 124.73,400.51 ; D428.A8 112.84,403.86 ; D428.A8 112.03,403.05 ; D428.A8 112.03,404.67 ; D428.A8 111.22,403.86 ; 40.1,38.1 D120.B11 ; D120.B11 40.91,37.29 ; D120.B11 41.72,38.1 ; D120.B11 40.91,38.91 ; 112.03,362.41 CSDPS426.B8 ; CSDPS426.B8 112.84,363.22 ; CSDPS426.B8 112.03,364.03 ; CSDPS426.B8 111.22,363.22 ; 55.34,386.08 D431.A1 ; D431.A1 56.15,385.27 ; D431.A1 56.15,386.89 ; D431.A1 56.96,386.08 ; 24.86,33.02 D120.A5 ; D120.A5 25.67,33.83 ; D120.A5 26.48,33.02 ; D120.A5 25.67,32.21 ; CSDPS229.B16 18.86,332.74 ; CSDPS229.B16 18.05,333.55 ; CSDPS229.B16 18.05,331.93 ; CSDPS229.B16 17.24,332.74 ; 43.45,331.93 CSDPS229.B6 ; CSDPS229.B6 42.64,332.74 ; CSDPS229.B6 43.45,333.55 ; CSDPS229.B6 44.26,332.74 ; D228.A13 99.33,397.05 ; D228.A13 100.14,396.24 ; D228.A13 99.33,395.43 ; D228.A13 98.52,396.24 ; D432.B6 43.45,399.59 ; D432.B6 43.45,397.97 ; D432.B6 42.64,398.78 ; D432.B6 44.26,398.78 ; 118.84,330.2 CSDPS225.C5 ; CSDPS225.C5 120.46,330.2 ; CSDPS225.C5 119.65,331.01 ; CSDPS225.C5 119.65,329.39 ; 18.37,358.45 UHC430.G1_11 ; UHC430.G1_11 19.99,358.45 ; UHC430.G1_11 19.18,359.26 ; UHC430.G1_11 19.18,357.64 ; D109.A9 257.62,335.28 ; D109.A9 256,335.28 ; D109.A9 256.81,334.47 ; D109.A9 256.81,336.09 ; D227.B14 97.6,368.3 ; D227.B14 96.79,367.49 ; D227.B14 95.98,368.3 ; D227.B14 96.79,369.11 ; 109.49,77.93 D122.B9 ; D122.B9 110.3,78.74 ; D122.B9 109.49,79.55 ; D122.B9 108.68,78.74 ; 239.03,326.85 D109.B16 ; D109.B16 238.22,327.66 ; D109.B16 239.03,328.47 ; D109.B16 239.84,327.66 ; D427.B6 117.11,379.27 ; D427.B6 116.3,378.46 ; D427.B6 117.92,378.46 ; D427.B6 117.11,377.65 ; D121.A15 124.73,94.79 ; D121.A15 124.73,93.17 ; D121.A15 125.54,93.98 ; D121.A15 123.92,93.98 ; 106.14,398.78 D428.B10 ; D428.B10 107.76,398.78 ; D428.B10 106.95,397.97 ; D428.B10 106.95,399.59 ; 88.36,33.02 D124.A1 ; D124.A1 89.17,32.21 ; D124.A1 89.98,33.02 ; D124.A1 89.17,33.83 ; D111.A8 259.35,374.19 ; D111.A8 259.35,372.57 ; D111.A8 260.16,373.38 ; D111.A8 258.54,373.38 ; 259.35,75.39 D106.A10 ; D106.A10 260.16,76.2 ; D106.A10 258.54,76.2 ; D106.A10 259.35,77.01 ; D102.B1 162.83,79.55 ; D102.B1 163.64,78.74 ; D102.B1 162.83,77.93 ; D102.B1 162.02,78.74 ; 99.33,37.29 D124.B5 ; D124.B5 100.14,38.1 ; D124.B5 99.33,38.91 ; D124.B5 98.52,38.1 ; D114.B9 183.15,351.33 ; D114.B9 182.34,350.52 ; D114.B9 183.96,350.52 ; D114.B9 183.15,349.71 ; 35.02,381 D431.B9 ; D431.B9 35.83,380.19 ; D431.B9 35.83,381.81 ; D431.B9 36.64,381 ; D122.A9 110.3,73.66 ; D122.A9 109.49,74.47 ; D122.A9 109.49,72.85 ; D122.A9 108.68,73.66 ; D112.A5 267.78,396.24 ; D112.A5 266.97,397.05 ; D112.A5 266.16,396.24 ; D112.A5 266.97,395.43 ; 258.54,55.88 D107.A10 ; D107.A10 260.16,55.88 ; D107.A10 259.35,55.07 ; D107.A10 259.35,56.69 ; D114.A10 180.61,353.87 ; D114.A10 181.42,353.06 ; D114.A10 179.8,353.06 ; D114.A10 180.61,352.25 ; 188.23,390.35 D116.B7 ; D116.B7 187.42,391.16 ; D116.B7 188.23,391.97 ; D116.B7 189.04,391.16 ; D109.A7 262.7,335.28 ; D109.A7 261.89,336.09 ; D109.A7 261.08,335.28 ; D109.A7 261.89,334.47 ; D123.A15 124.73,54.15 ; D123.A15 124.73,52.53 ; D123.A15 123.92,53.34 ; D123.A15 125.54,53.34 ; 239.03,352.25 D110.A16 ; D110.A16 238.22,353.06 ; D110.A16 239.84,353.06 ; D110.A16 239.03,353.87 ; D228.B10 106.95,389.43 ; D228.B10 106.95,387.81 ; D228.B10 106.14,388.62 ; D228.B10 107.76,388.62 ; 37.56,398.78 D432.B8 ; D432.B8 39.18,398.78 ; D432.B8 38.37,399.59 ; D432.B8 38.37,397.97 ; 258.54,368.3 D111.B8 ; D111.B8 260.16,368.3 ; D111.B8 259.35,367.49 ; D111.B8 259.35,369.11 ; 269.51,331.93 D109.A4 ; D109.A4 268.7,332.74 ; D109.A4 270.32,332.74 ; D109.A4 269.51,333.55 ; D123.B7 105.22,58.42 ; D123.B7 104.41,59.23 ; D123.B7 103.6,58.42 ; D123.B7 104.41,57.61 ; D115.A11 178.07,376.73 ; D115.A11 177.26,375.92 ; D115.A11 178.07,375.11 ; D115.A11 178.88,375.92 ; D112.B10 255.08,388.62 ; D112.B10 253.46,388.62 ; D112.B10 254.27,389.43 ; D112.B10 254.27,387.81 ; CSDPS229.B12 29.02,332.74 ; CSDPS229.B12 28.21,333.55 ; CSDPS229.B12 28.21,331.93 ; CSDPS229.B12 27.4,332.74 ; UHC230.G3_10 45.53,350.85 ; UHC230.G3_10 46.34,350.04 ; UHC230.G3_10 45.53,349.23 ; UHC230.G3_10 44.72,350.04 ; 249.19,75.39 D106.A6 ; D106.A6 249.19,77.01 ; D106.A6 248.38,76.2 ; D106.A6 250,76.2 ; DPS8.A15 21.4,415.29 ; DPS8.A15 20.59,416.1 ; DPS8.A15 20.59,414.48 ; DPS8.A15 19.78,415.29 ; D122.B6 101.87,82.09 ; D122.B6 101.06,81.28 ; D122.B6 102.68,81.28 ; D122.B6 101.87,80.47 ; 169.64,35.56 D104.A4 ; D104.A4 170.45,36.37 ; D104.A4 170.45,34.75 ; D104.A4 171.26,35.56 ; 202.66,396.24 D116.A1 ; D116.A1 203.47,397.05 ; D116.A1 204.28,396.24 ; D116.A1 203.47,395.43 ; 177.26,58.42 D103.B7 ; D103.B7 178.88,58.42 ; D103.B7 178.07,57.61 ; D103.B7 178.07,59.23 ; 182.34,330.2 D113.B9 ; D113.B9 183.15,331.01 ; D113.B9 183.15,329.39 ; D113.B9 183.96,330.2 ; 193.31,414.48 DPS2.A05 ; DPS2.A05 194.12,415.29 ; DPS2.A05 193.31,416.1 ; DPS2.A05 192.5,415.29 ; D119.B11 40.91,59.23 ; D119.B11 40.91,57.61 ; D119.B11 41.72,58.42 ; D119.B11 40.1,58.42 ; D432.B2 54.42,398.78 ; D432.B2 52.8,398.78 ; D432.B2 53.61,397.97 ; D432.B2 53.61,399.59 ; 202.66,370.84 D115.B1 ; D115.B1 203.47,371.65 ; D115.B1 203.47,370.03 ; D115.B1 204.28,370.84 ; 183.15,390.35 D116.B9 ; D116.B9 183.15,391.97 ; D116.B9 182.34,391.16 ; D116.B9 183.96,391.16 ; 251.73,57.61 D107.B7 ; D107.B7 252.54,58.42 ; D107.B7 250.92,58.42 ; D107.B7 251.73,59.23 ; UHC230.G3_12 47.49,348.29 ; UHC230.G3_12 45.87,348.29 ; UHC230.G3_12 46.68,347.48 ; UHC230.G3_12 46.68,349.1 ; D123.B15 124.73,59.23 ; D123.B15 124.73,57.61 ; D123.B15 125.54,58.42 ; D123.B15 123.92,58.42 ; D103.A15 199.2,53.34 ; D103.A15 197.58,53.34 ; D103.A15 198.39,54.15 ; D103.A15 198.39,52.53 ; D121.B9 110.3,99.06 ; D121.B9 109.49,99.87 ; D121.B9 108.68,99.06 ; D121.B9 109.49,98.25 ; D432.B3 51.07,402.13 ; D432.B3 50.26,401.32 ; D432.B3 51.07,400.51 ; D432.B3 51.88,401.32 ; D112.A6 264.43,394.51 ; D112.A6 263.62,393.7 ; D112.A6 265.24,393.7 ; D112.A6 264.43,392.89 ; 44.38,357.64 UHC430.G2_13 ; UHC430.G2_13 45.19,358.45 ; UHC430.G2_13 43.57,358.45 ; UHC430.G2_13 44.38,359.26 ; 123.92,386.08 D427.A3 ; D427.A3 125.54,386.08 ; D427.A3 124.73,385.27 ; D427.A3 124.73,386.89 ; 48.53,342.09 CSDPS429.B4 ; CSDPS429.B4 48.53,343.71 ; CSDPS429.B4 49.34,342.9 ; CSDPS429.B4 47.72,342.9 ; D109.A3 272.05,336.09 ; D109.A3 271.24,335.28 ; D109.A3 272.86,335.28 ; D109.A3 272.05,334.47 ; D115.B8 185.69,369.11 ; D115.B8 184.88,368.3 ; D115.B8 185.69,367.49 ; D115.B8 186.5,368.3 ; D120.A8 33.29,36.37 ; D120.A8 34.1,35.56 ; D120.A8 32.48,35.56 ; D120.A8 33.29,34.75 ; 185.69,331.93 D113.A8 ; D113.A8 185.69,333.55 ; D113.A8 184.88,332.74 ; D113.A8 186.5,332.74 ; DPS3.A01 89.98,13.97 ; DPS3.A01 89.17,14.78 ; DPS3.A01 88.36,13.97 ; DPS3.A01 89.17,13.16 ; D115.B13 172.99,371.65 ; D115.B13 172.99,370.03 ; D115.B13 173.8,370.84 ; D115.B13 172.18,370.84 ; D231.A15 21.4,375.92 ; D231.A15 20.59,376.73 ; D231.A15 19.78,375.92 ; D231.A15 20.59,375.11 ; D115.A13 173.8,375.92 ; D115.A13 172.99,376.73 ; D115.A13 172.99,375.11 ; D115.A13 172.18,375.92 ; 240.76,335.28 D109.A15 ; D109.A15 241.57,336.09 ; D109.A15 241.57,334.47 ; D109.A15 242.38,335.28 ; 56.15,390.35 D232.B1 ; D232.B1 56.96,391.16 ; D232.B1 56.15,391.97 ; D232.B1 55.34,391.16 ; 108.68,391.16 D228.B9 ; D228.B9 109.49,391.97 ; D228.B9 110.3,391.16 ; D228.B9 109.49,390.35 ; 95.98,393.7 D228.A14 ; D228.A14 96.79,392.89 ; D228.A14 96.79,394.51 ; D228.A14 97.6,393.7 ; D110.A5 267.78,355.6 ; D110.A5 266.97,356.41 ; D110.A5 266.16,355.6 ; D110.A5 266.97,354.79 ; D101.A9 183.96,93.98 ; D101.A9 183.15,94.79 ; D101.A9 183.15,93.17 ; D101.A9 182.34,93.98 ; 94.25,32.21 D124.A3 ; D124.A3 94.25,33.83 ; D124.A3 95.06,33.02 ; D124.A3 93.44,33.02 ; 52.8,368.3 D231.B2 ; D231.B2 53.61,369.11 ; D231.B2 54.42,368.3 ; D231.B2 53.61,367.49 ; 261.89,52.53 D107.A11 ; D107.A11 262.7,53.34 ; D107.A11 261.89,54.15 ; D107.A11 261.08,53.34 ; 24.86,73.66 D118.A5 ; D118.A5 26.48,73.66 ; D118.A5 25.67,74.47 ; D118.A5 25.67,72.85 ; D103.A11 188.23,54.15 ; D103.A11 189.04,53.34 ; D103.A11 188.23,52.53 ; D103.A11 187.42,53.34 ; DPS1.A05 247.46,13.97 ; DPS1.A05 246.65,13.16 ; DPS1.A05 246.65,14.78 ; DPS1.A05 245.84,13.97 ; CSDPS426.B10 106.95,364.03 ; CSDPS426.B10 106.14,363.22 ; CSDPS426.B10 107.76,363.22 ; CSDPS426.B10 106.95,362.41 ; D431.A6 43.45,384.35 ; D431.A6 43.45,382.73 ; D431.A6 42.64,383.54 ; D431.A6 44.26,383.54 ; 245.84,355.6 D110.A13 ; D110.A13 247.46,355.6 ; D110.A13 246.65,356.41 ; D110.A13 246.65,354.79 ; 202.66,410.21 DPS2.C01 ; DPS2.C01 203.47,409.4 ; DPS2.C01 204.28,410.21 ; DPS2.C01 203.47,411.02 ; D112.A3 272.05,397.05 ; D112.A3 272.86,396.24 ; D112.A3 271.24,396.24 ; D112.A3 272.05,395.43 ; UHC430.G2_10 46.34,360.2 ; UHC430.G2_10 45.53,359.39 ; UHC430.G2_10 45.53,361.01 ; UHC430.G2_10 44.72,360.2 ; 250.92,370.84 D111.B11 ; D111.B11 251.73,370.03 ; D111.B11 251.73,371.65 ; D111.B11 252.54,370.84 ; 253.46,101.6 D105.B8 ; D105.B8 254.27,100.79 ; D105.B8 255.08,101.6 ; D105.B8 254.27,102.41 ; 261.08,350.52 D110.B7 ; D110.B7 261.89,351.33 ; D110.B7 262.7,350.52 ; D110.B7 261.89,349.71 ; 236.49,52.53 D107.A1 ; D107.A1 236.49,54.15 ; D107.A1 237.3,53.34 ; D107.A1 235.68,53.34 ; 25.67,395.43 D232.A13 ; D232.A13 26.48,396.24 ; D232.A13 25.67,397.05 ; D232.A13 24.86,396.24 ; 109.49,395.43 D228.A9 ; D228.A9 108.68,396.24 ; D228.A9 109.49,397.05 ; D228.A9 110.3,396.24 ; 200.12,327.66 D113.B2 ; D113.B2 201.74,327.66 ; D113.B2 200.93,326.85 ; D113.B2 200.93,328.47 ; D431.B10 34.1,378.46 ; D431.B10 33.29,379.27 ; D431.B10 32.48,378.46 ; D431.B10 33.29,377.65 ; 182.34,396.24 D116.A9 ; D116.A9 183.15,395.43 ; D116.A9 183.96,396.24 ; D116.A9 183.15,397.05 ; DPS3.B15 124.73,17.32 ; DPS3.B15 123.92,16.51 ; DPS3.B15 124.73,15.7 ; DPS3.B15 125.54,16.51 ; D102.B7 178.07,79.55 ; D102.B7 178.07,77.93 ; D102.B7 178.88,78.74 ; D102.B7 177.26,78.74 ; 99.33,57.61 D123.B5 ; D123.B5 98.52,58.42 ; D123.B5 100.14,58.42 ; D123.B5 99.33,59.23 ; D112.A9 256.81,397.05 ; D112.A9 256,396.24 ; D112.A9 256.81,395.43 ; D112.A9 257.62,396.24 ; D124.B14 122.19,41.45 ; D124.B14 122.19,39.83 ; D124.B14 123,40.64 ; D124.B14 121.38,40.64 ; 271.24,53.34 D107.A15 ; D107.A15 272.05,54.15 ; D107.A15 272.86,53.34 ; D107.A15 272.05,52.53 ; D119.A16 53.61,56.69 ; D119.A16 53.61,55.07 ; D119.A16 52.8,55.88 ; D119.A16 54.42,55.88 ; 22.32,35.56 D120.A4 ; D120.A4 23.13,36.37 ; D120.A4 23.13,34.75 ; D120.A4 23.94,35.56 ; D107.A7 251.73,54.15 ; D107.A7 252.54,53.34 ; D107.A7 251.73,52.53 ; D107.A7 250.92,53.34 ; 129.81,380.19 D427.B1 ; D427.B1 129,381 ; D427.B1 129.81,381.81 ; D427.B1 130.62,381 ; DPS3.A15 125.54,13.97 ; DPS3.A15 124.73,13.16 ; DPS3.A15 123.92,13.97 ; DPS3.A15 124.73,14.78 ; 122.19,342.09 CSDPS425.B4 ; CSDPS425.B4 122.19,343.71 ; CSDPS425.B4 121.38,342.9 ; CSDPS425.B4 123,342.9 ; 99.33,98.25 D121.B5 ; D121.B5 98.52,99.06 ; D121.B5 99.33,99.87 ; D121.B5 100.14,99.06 ; 246.65,329.39 D109.B13 ; D109.B13 247.46,330.2 ; D109.B13 246.65,331.01 ; D109.B13 245.84,330.2 ; 235.68,78.74 D106.B1 ; D106.B1 237.3,78.74 ; D106.B1 236.49,79.55 ; D106.B1 236.49,77.93 ; D428.B17 89.17,402.13 ; D428.B17 89.98,401.32 ; D428.B17 88.36,401.32 ; D428.B17 89.17,400.51 ; 17.22,350.04 UHC230.G4_9 ; UHC230.G4_9 18.03,349.23 ; UHC230.G4_9 18.03,350.85 ; UHC230.G4_9 18.84,350.04 ; D101.A16 201.74,96.52 ; D101.A16 200.93,97.33 ; D101.A16 200.12,96.52 ; D101.A16 200.93,95.71 ; D228.A11 105.22,396.24 ; D228.A11 104.41,397.05 ; D228.A11 104.41,395.43 ; D228.A11 103.6,396.24 ; D428.B13 100.14,401.32 ; D428.B13 98.52,401.32 ; D428.B13 99.33,400.51 ; D428.B13 99.33,402.13 ; D102.A5 173.8,73.66 ; D102.A5 172.99,74.47 ; D102.A5 172.99,72.85 ; D102.A5 172.18,73.66 ; 269.51,352.25 D110.A4 ; D110.A4 269.51,353.87 ; D110.A4 268.7,353.06 ; D110.A4 270.32,353.06 ; D102.A4 171.26,76.2 ; D102.A4 170.45,75.39 ; D102.A4 170.45,77.01 ; D102.A4 169.64,76.2 ; 175.53,34.75 D104.A6 ; D104.A6 174.72,35.56 ; D104.A6 175.53,36.37 ; D104.A6 176.34,35.56 ; 126.46,378.46 D427.B2 ; D427.B2 128.08,378.46 